# Altium PCB UPS.PcbDoc (part 1 of 2) (continued)
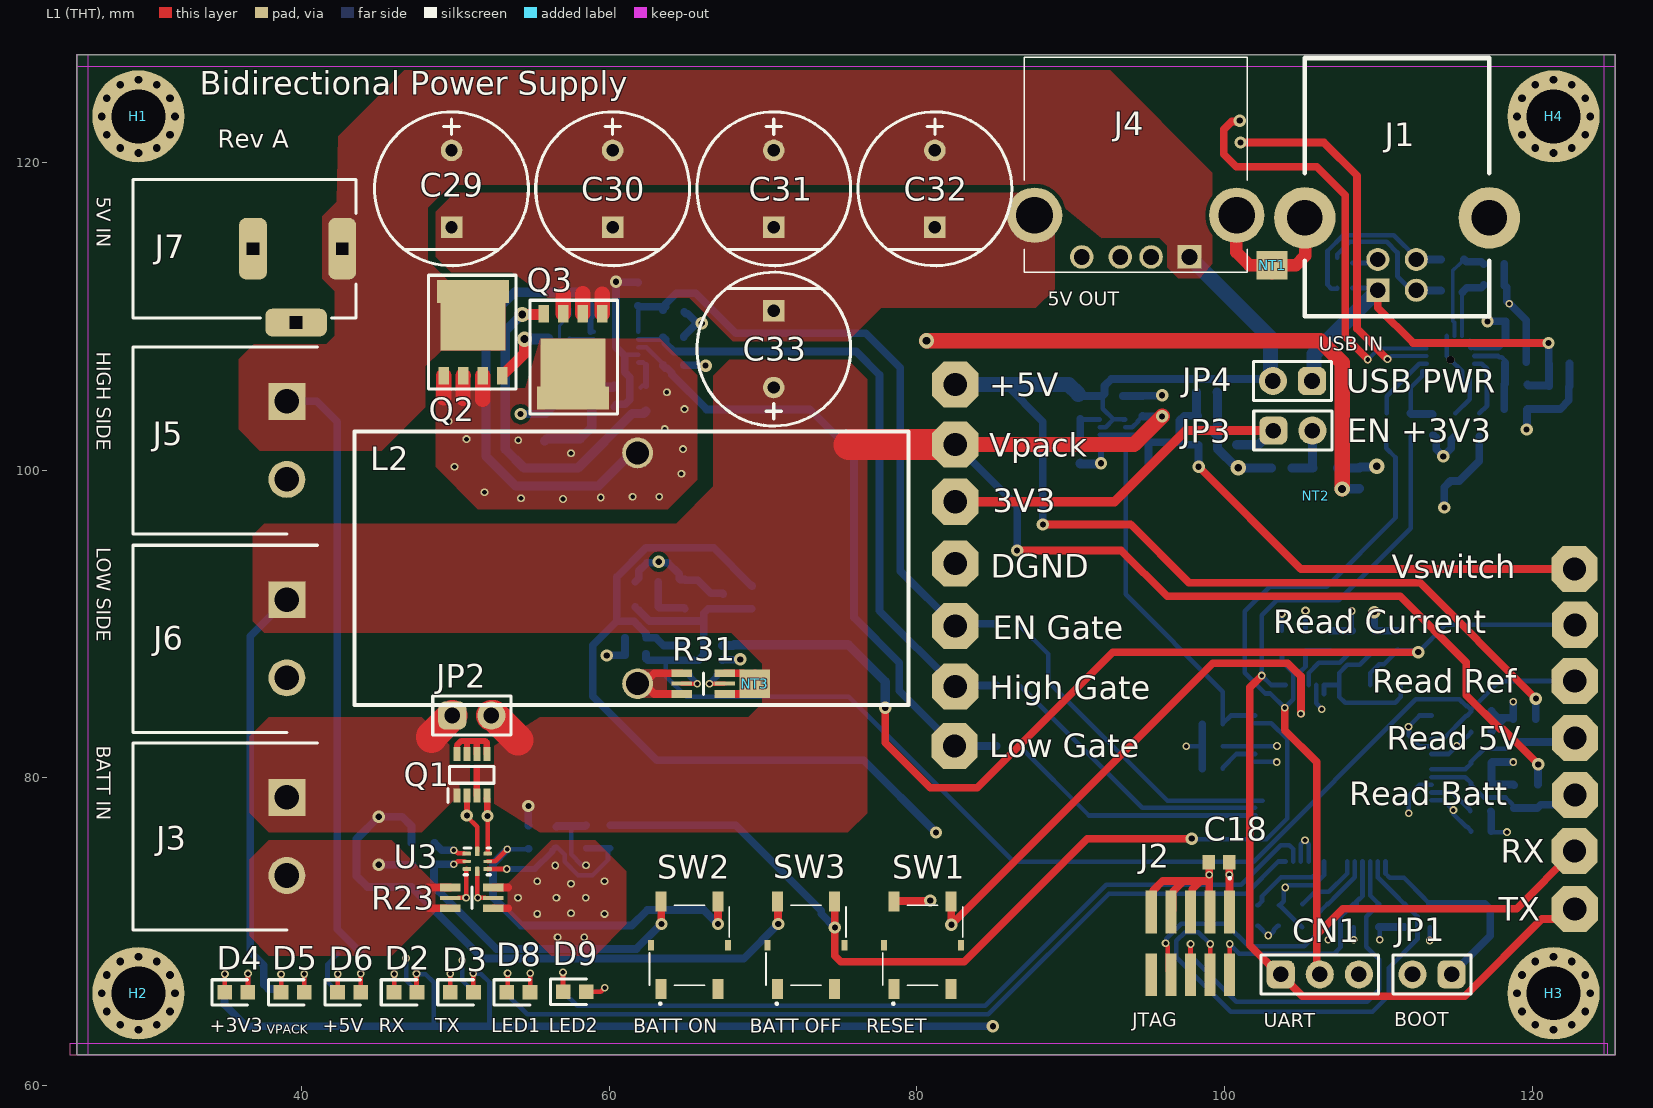
[diagram p0: L1 (THT) view]
## Components (designator, comment, footprint, x,y, rotation, side; value= is the part's Value field where it differs from the comment) (continued)
L1 "Inductor" IND0603 106.55,100.15 r0 bottom value=10uH
L2 "Inductor" COIL_HANDMADE 61.85,93.625 r270 top locked value="174 uH"
NT1 "NetTie_1-1" NETTIE_1.85MM#1 103.1,113.325 r0 top net-tie value="NetTie 1-1 0.2mm"
NT2 "NetTie_1-1" NETTIE_1.85MM#2 105.95,98.35 r0 top net-tie value="NetTie 1-1 0.2mm"
NT3 "NetTie_1-1" NETTIE_1.85MM#1 69.475,86.125 r0 top net-tie value="NetTie 1-1 0.2mm"
Q1 "ECH8695R-TL-W" SOT-28FL 51.075,80.2 r90 top
Q2 "N-MOSFET" SOT-669-5 51.15,108.875 r0 top
Q3 "N-MOSFET" SOT-669-5 57.65,107.45 r180 top
R1 "20R" RES0603 114.825,113.7 r180 bottom
R2 "20R" RES0603 114.825,111.675 r180 bottom
R3 "22K1" RES0603 118.95,105.575 r0 bottom
R4 "100R" RES0603 112.103,102.95 r270 bottom
R5 "100R" RES0603 110.525,102.95 r270 bottom
R6 "1K" RES0603 116.575,102.95 r90 bottom
R7 "47K5" RES0603 118.95,103.975 r180 bottom
R8 "330R" RES0603 46.8,66.05 r180 bottom
R9 "330R" RES0603 50.475,66.025 r180 bottom
R10 "10K" RES0603 115.001,102.95 r90 bottom
R11 "3K3" RES0603 105.275,88.9 r90 bottom
R12 "4K7" RES0603 105.068,71.05 r270 bottom
R13 "4K7" RES0603 106.729,71.05 r270 bottom
R14 "4K7" RES0603 108.391,71.05 r270 bottom
R15 "4K7" RES0603 110.052,71.05 r270 bottom
R16 "4K7" RES0603 111.714,71.05 r270 bottom
R17 "4K7" RES0603 113.375,71.05 r270 bottom
R18 "100R" RES0603 47.9,72.9 r180 bottom
R19 "20R" RES0603 47.9,75.775 r180 bottom
R20 "1K" RES0603 54.755,76.15 r90 bottom
R21 "100R" RES0603 60.075,76.175 r90 bottom
R22 "1K" RES0603 58.5,76.175 r270 bottom
R23 "0R005" RES1206_KELVIN 51.075,72.2 r0 top
R24 "330R" RES0603 43.125,68.575 r0 bottom
R25 "10K" RES0603 94.325,100.425 r180 bottom
R26 "10K" RES0603 90.625,104.075 r90 bottom
R27 "330R" RES0603 35.75,66.05 r180 bottom
R28 "330R" RES0603 39.4,66.05 r180 bottom
R29 "330R" RES0603 43.1,66.05 r180 bottom
R30 "10K" RES0603 90.625,101 r90 bottom
R31 "0R010" RES1206_KELVIN 66.125,86.125 r0 top
R32 "5R1" RES0603 58.9,104.6 r270 bottom
R33 "100R" RES0603 85.95,86 r180 bottom
R34 "5R1" RES0603 56.8,108.5 r180 bottom
R35 "100R" RES0603 85.95,82.075 r180 bottom
R36 "100R" RES0603 85.95,89.925 r180 bottom
R37 "5R1" RES0603 62.4,104.6 r270 bottom
R38 "10K" RES0603 61.875,111.45 r90 bottom
R39 "100R" RES0603 69.275,91.75 r270 bottom
R40 "3K3" RES0603 120.25,83.075 r90 bottom
R41 "3K3" RES0603 120.375,78.8 r90 bottom
R42 "3K3" RES0603 62.45,91.125 r180 bottom
R43 "4K7" RES0603 118.775,83.075 r270 bottom
R44 "4K7" RES0603 118.825,78.775 r270 bottom
R45 "10K" RES0603 62.45,92.75 r0 bottom
R46 "330R" RES0603 54.075,66 r180 bottom
R47 "330R" RES0603 57.775,66.1 r180 bottom
SW1 "PTS526 Button" "PTS526 SMG15J SMTR2 LFS" 80.375,69.125 r90 top
SW2 "PTS526 Button" "PTS526 SMG15J SMTR2 LFS" 65.225,69.125 r90 top
SW3 "PTS526 Button" "PTS526 SMG15J SMTR2 LFS" 72.8,69.125 r90 top
TP1 "Test Point" TP-1.5HOLE#1 122.775,71.475 r180 bottom
TP2 "Test Point" TP-1.5HOLE#1 122.75,75.25 r180 bottom
TP3 "Test Point" TP-1.5HOLE#1 122.75,93.575 r180 bottom
TP4 "Test Point" TP-1.5HOLE#1 82.5,97.95 r180 bottom
TP5 "Test Point" TP-1.5HOLE#1 82.5,105.575 r180 bottom
TP6 "Test Point" TP-1.5HOLE#1 82.5,101.675 r180 bottom
TP7 "Test Point" TP-1.5HOLE#1 82.5,85.95 r180 bottom
TP8 "Test Point" TP-1.5HOLE#1 82.45,82.075 r180 bottom
TP9 "Test Point" TP-1.5HOLE#1 82.5,89.875 r180 bottom
TP10 "Test Point" TP-1.5HOLE#2 122.8,89.8 r90 bottom
TP11 "Test Point" TP-1.5HOLE#1 122.775,86.3 r90 bottom
TP12 "Test Point" TP-1.5HOLE#1 122.8,82.585 r90 bottom
TP13 "Test Point" TP-1.5HOLE#1 122.8,78.89 r90 bottom
TP14 "Test Point" TP-1.5HOLE#1 82.5,93.925 r90 bottom
U1 "CP2102N-A02-GQFN20R" QFN-20 114.7,107.175 r270 bottom
U2 "F280038PMRQ1" LQFP-64 107.725,80.3 r270 bottom
U3 "BQ2980" X2QFN-8 51.425,74.575 r0 top
U4 "TPS2116" SOTFL50P160X60-8N 92.725,102.55 r0 bottom
U5 "LP5907QMFX-3.3Q1" SOT23-5 99.55,102.6 r0 bottom
U6 "DGD05473FN-7" V-DFN3030-10 60.45,108 r0 bottom
U7 "INA181A1" SOT23-6 66.125,87.65 r180 bottom
U8 "TLV431" SOT23-5 66.165,91.95 r180 bottom

## Footprints (in the part's own frame and the unit in brackets; to place one, negate y for a bottom-side part, rotate by r counter-clockwise, add the part's x,y. Pads: shape width x height; smd on the part's side, far side on the other; paste and mask are expansions set on the pad)
"Aluminium Capacitor 10x12.5" [mm]
  rect 1.4x1.4 hole 0.8: 1(2.493,-4.953)
  round 1.4 hole 0.8: 2(7.493,-4.953)
  silkscreen extent -0.01,-9.95 9.99,0.04, body extent -0.02,-9.96 9.98,0.03, height 12.5
CAP0603 [mm] "1.6 x 0.8 x 0.8 mm"
  rect 0.81x0.94 smd: 1(-0.67,0) 2(0.67,0)
  body extent -0.8,-0.4 0.8,0.4, height 0.9
COIL_HANDMADE [mm] "35 x 15 mm coil"
  round 2 hole 1.5: 1(-7.5,0) 2(7.5,0)
  silkscreen extent -8.9,-18.4 8.9,17.6, body extent -8,-17.9 7.8,17.1, height 37.5
CON-2x5-1.27 [mm] "2x5 pin connector with 1.27 mm pitch"
  rect 0.74x2.79 smd: 1(-2.54,0) 2(-2.54,4.07) 3(-1.27,0) 4(-1.27,4.07) 5(0,0) 6(0,4.07) 7(1.27,0) 8(1.27,4.07) 9(2.54,0) 10(2.54,4.07)
  silkscreen extent -2.6,-2.25 -2.5,-2.15, body extent -3.18,-0.92 3.17,4.93, height 6.13
"DC Power Jack Right Angled" [mm] "DC Power Jack Right Angled(6.4)"
  rrect50% 4x1.8 hole 0.8 square: 1(0,6.35) 2(0,0.55)
  rrect50% 1.8x4 hole 0.8 square: 3(4.8,3.35)
  silkscreen extent -4.5,-7.25 4.5,7.25, body extent -4.5,-7.25 5,7.25, height 10.75
IND0603 [mm]
  rect 0.9x1 smd: 1(-0.8,0) 2(0.8,0)
  silkscreen extent 0,-0.3 0,0.3, body extent -0.8,-0.4 0.8,0.4, height 0.95
LED0603 [mm] "LEDC1608X80N"
  rect 0.95x0.95 smd: 1(-0.75,0) 2(0.75,0)
  silkscreen extent -1.58,-0.82 0.75,0.82, body extent -0.83,-0.4 0.77,0.4, height 0.7
LQFP-64 [mm] "QFP50P1200X1200X160-64N"
  rect 1.475x0.3 smd: 1(-5.738,3.75) 2(-5.738,3.25) 3(-5.738,2.75) 4(-5.738,2.25) 5(-5.738,1.75) 6(-5.738,1.25) 7(-5.738,0.75) 8(-5.738,0.25) 9(-5.738,-0.25) 10(-5.738,-0.75) 11(-5.738,-1.25) 12(-5.738,-1.75) 13(-5.738,-2.25) 14(-5.738,-2.75) 15(-5.738,-3.25) 16(-5.738,-3.75) 33(5.738,-3.75) 34(5.738,-3.25) 35(5.738,-2.75) 36(5.738,-2.25) 37(5.738,-1.75) 38(5.738,-1.25) 39(5.738,-0.75) 40(5.738,-0.25) 41(5.738,0.25) 42(5.738,0.75) 43(5.738,1.25) 44(5.738,1.75) 45(5.738,2.25) 46(5.738,2.75) 47(5.738,3.25) 48(5.738,3.75)
  rect 0.3x1.475 smd: 17(-3.75,-5.738) 18(-3.25,-5.738) 19(-2.75,-5.738) 20(-2.25,-5.738) 21(-1.75,-5.738) 22(-1.25,-5.738) 23(-0.75,-5.738) 24(-0.25,-5.738) 25(0.25,-5.738) 26(0.75,-5.738) 27(1.25,-5.738) 28(1.75,-5.738) 29(2.25,-5.738) 30(2.75,-5.738) 31(3.25,-5.738) 32(3.75,-5.738) 49(3.75,5.738) 50(3.25,5.738) 51(2.75,5.738) 52(2.25,5.738) 53(1.75,5.738) 54(1.25,5.738) 55(0.75,5.738) 56(0.25,5.738) 57(-0.25,5.738) 58(-0.75,5.738) 59(-1.25,5.738) 60(-1.75,5.738) 61(-2.25,5.738) 62(-2.75,5.738) 63(-3.25,5.738) 64(-3.75,5.738)
  silkscreen extent -6.35,-4.65 4.65,4.65, body extent -6.01,-6.01 6.01,6.01, height 1.5
MOUNTING_HOLE_M3#1 [mm] "Mounting hole for M3 screws."
  round 6 hole 3.5 unplated: H1(0,0)
MOUNTING_HOLE_M3#2 [mm] "Mounting hole for M3 screws."
  round 6 hole 3.5 unplated: H2(0,0)
MOUNTING_HOLE_M3#3 [mm] "Mounting hole for M3 screws."
  round 6 hole 3.5 unplated: H3(0,0)
MOUNTING_HOLE_M3#4 [mm] "Mounting hole for M3 screws."
  round 6 hole 3.5 unplated: H4(0,0)
NETTIE_1.85MM#1 [mm]
  rect 1x1.85 smd paste-1 mask-1: 1(-0.5,0) 2(0.5,0)
  L1 (THT) region: -0.1,-0.925 0.1,-0.925 0.1,0.925 -0.1,0.925
NETTIE_1.85MM#2 [mm]
  rect 1x1.85 on Mid2 paste-1 mask-1: 1(-0.5,0) 2(0.5,0)
  L3 (MIXED) region: -0.1,-0.925 0.1,-0.925 0.1,0.925 -0.1,0.925
PIN-1X2 [mil] "2.54mm"
  rrect50% 72x72 hole 40: 1(-50,0)
  round 72 hole 40: 2(50,0)
  silkscreen extent -100,-50 100,50, body extent -96,-48 104,50, height 323
PIN-1X3 [mil] "2.54mm"
  rrect50% 72x72 hole 40: 1(-100,0)
  round 72 hole 40: 2(0,0) 3(100,0)
  silkscreen extent -150,-50 150,50, body extent -146,-49 154,49, height 323
"PTS526 SMG15J SMTR2 LFS" [mm] "Tactile Switches 50mA 12VDC, 5.2x5.2mm, 1.5mm H, metal actuator"
  rect 1.3x0.7 smd: 1(-2.85,1.85) 1(2.85,1.85) 2(-2.85,-1.85) 2(2.85,-1.85)
  rect 0.7x0.4 smd: 3(0,2.5) 3(0,-2.5)
  silkscreen extent -3.85,-2.6 2.6,2.6, body extent -3.2,-2.6 3.2,2.6, height 1.7
QFN-20 [mm]
  rect 0.3x0.3 smd: 1(-1.25,1.25) 6(-1.25,-1.25) 11(1.25,-1.25) 16(1.25,1.25)
  rect 0.9x0.3 smd: 2(-1.55,0.75) 3(-1.55,0.25) 4(-1.55,-0.25) 5(-1.55,-0.75) 12(1.55,-0.75) 13(1.55,-0.25) 14(1.55,0.25) 15(1.55,0.75)
  rect 0.3x0.9 smd: 7(-0.75,-1.55) 8(-0.25,-1.55) 9(0.25,-1.55) 10(0.75,-1.55) 17(0.75,1.55) 18(0.25,1.55) 19(-0.25,1.55) 20(-0.75,1.55)
  rect 1.8x1.8 smd: 21(0,0)
  silkscreen extent -2,1.25 -1.9,1.35, body extent -1.5,-1.5 1.5,1.5, height 0.75
RES0603 [mm] "Resistor 0603 (1608 metric)"
  rect 0.95x1 smd: 1(-0.75,0) 2(0.75,0)
  body extent -0.76,-0.43 0.76,0.43, height 0.45
RES1206_KELVIN [mm] "Footprint for 4-wire kelvin voltage measurement."
  rect 1.35x0.5 smd mask+0.075: 1(-1.4,-0.675) 1(-1.4,0.675) 2(1.4,-0.675) 2(1.4,0.675)
  rect 1.35x0.25 smd mask+0.075: 3(-1.4,0) 4(1.4,0)
  silkscreen extent 0,-0.7 0,0.7, body extent -1.6,-0.8 1.6,0.8, height 0.65
SMB [mm] "DO-214AA"
  rect 2.2x2.15 smd: 1(-2.2,0) 2(2.2,0)
  silkscreen extent -3.27,-1.81 2.7,1.81, body extent -2.7,-1.81 2.7,1.81, height 2.44
SOT23-5 [mm]
  rect 1.2x0.6 smd: 1(-1.25,0.95) 2(-1.25,0) 3(-1.25,-0.95) 4(1.25,-0.95) 5(1.25,0.95)
  silkscreen extent -1.85,-1.45 0.3,1.5, body extent -1.4,-1.45 1.4,1.45, height 1.45
SOT23-6 [mm]
  rect 1.15x0.6 smd: 1(-1.25,0.95) 2(-1.25,0) 3(-1.25,-0.95) 4(1.25,-0.95) 5(1.25,0) 6(1.25,0.95)
  silkscreen extent -1.83,-1.45 0.33,1.6, body extent -1.4,-1.45 1.4,1.45, height 1.45
SOT-28FL [mm] "SOT-28FL / ECH8 / SOT65P280X95-8N"
  rect 0.9x0.45 smd: 1(-1.35,0.975) 2(-1.35,0.325) 3(-1.35,-0.325) 4(-1.35,-0.975) 5(1.35,-0.975) 6(1.35,-0.325) 7(1.35,0.325) 8(1.35,0.975)
  silkscreen extent -1.8,-1.45 0.55,1.55, body extent -1.4,-1.45 1.4,1.45, height 0.95
SOT-666 [mm]
  rect 0.3x0.99 smd: 1(-0.5,-0.805) 2(0,-0.805) 3(0.5,-0.805) 4(0.5,0.805) 5(0,0.805) 6(-0.5,0.805)
  silkscreen extent -0.8,-0.6 0.8,0.6, body extent -0.8,-1.27 0.8,1.27, height 0.7
SOT-669-5 [mm] "LFPAK56; PowerSO8 (SOT669)"
  rect 0.7x1.15 smd: 1(1.905,-2.725) 2(-1.905,-2.725) 2(-0.635,-2.725) 2(0.635,-2.725)
  rect 4.2x3.1 smd: 3(0,0.45)
  rect 4.7x1.5 smd: 3(0,2.75)
  silkscreen extent -2.9,-3.6 2.8,3.8, body extent -2.4,-2.81 2.4,3.3, height 1
SOTFL50P160X60-8N [mm]
  rect 0.475x0.3 smd: 1(-0.838,0.75) 2(-0.838,0.25) 3(-0.838,-0.25) 4(-0.838,-0.75) 5(0.838,-0.75) 6(0.838,-0.25) 7(0.838,0.25) 8(0.838,0.75)
  silkscreen extent -1.07,-1.05 0.25,1.15, body extent -0.8,-1.05 0.8,1.05, height 0.6
TP-1.5HOLE#1 [mm]
  oct 3x3 hole 1.5: 1(0,0)
TP-1.5HOLE#2 [mm]
  oct 3x3 hole 1.5: 1(0.15,0)
USB-A-FEMALE [mm] "SS-52100-001"
  rect 1.53x1.53 hole 1.02: 1(0,0)
  round 1.53 hole 1.02: 2(2.5,0) 3(4.5,0) 4(7,0)
  round 3.6 hole 2.4: 5(-3.07,-2.71) 5(10.07,-2.71)
  silkscreen extent -3.75,-12.99 10.75,1.01, body extent -4.5,-13 11.5,1, height 7.61
USB-B-FEMALE [mm]
  round 4 hole 2.3: 0(-6,-4.7) 0(6,-4.7)
  rect 1.5x1.5 hole 1: 1(1.25,0)
  round 1.5 hole 1: 2(-1.25,0) 3(-1.25,-2) 4(1.25,-2)
  silkscreen extent -6,-15.1 6,1.7, body extent -7.44,-15 7.44,2, height 11
V-DFN3030-10 [mm] "V-DFN3030-10, SON50P300X300X80-11N-D / For DGD05473 IC"
  rect 0.85x0.3 smd: 1(-1.45,1) 2(-1.45,0.5) 3(-1.45,0) 4(-1.45,-0.5) 5(-1.45,-1) 6(1.45,-1) 7(1.45,-0.5) 8(1.45,0) 9(1.45,0.5) 10(1.45,1)
  rect 1.65x2.6 smd: 11(0,0)
  silkscreen extent -2,1.53 -1.75,1.77, body extent -1.55,-1.5 1.55,1.5, height 0.8
WR-TBL-5.08/2-M [mm] "Wurth Elektronik, 2 Pin Pluggable Terminal Block, Male"
  rect 2.4x2.4 hole 1.6: 1(5.08,0)
  round 2.4 hole 1.6: 2(0,0)
  silkscreen extent -3.54,-2 8.62,10, body extent -3.56,-2.03 8.52,9.97, height 8.6
X2QFN-8 [mm] "QFN, 8-Leads, Body 1.5x1.5mm, Pitch 0.5mm, TI Recommended"
  rrect40% 0.55x0.25 smd mask+0.075: 1(-0.675,0.5) 3(-0.675,-0.5) 5(0.675,-0.5) 7(0.675,0.5)
  rrect50% 0.55x0.2 smd mask+0.075: 2(-0.675,0) 6(0.675,0)
  rrect33% 0.3x0.6 smd mask+0.075: 4(0,-0.65) 8(0,0.65)
  silkscreen extent -0.85,-0.87 0.85,0.87, body extent -0.78,-0.78 0.77,0.77, height 0.41

## Part data
C1 C2 C35 C36 C37: "Ceramic Capacitor, Multilayer, Ceramic, 100V, 5% +Tol, 5% -Tol, C0G, 30ppm/Cel TC, 0.000047uF, Surface Mount, 0603", Capacitor Type=Ceramic, Case/Package=0603, Manufacturer=KEMET, Manufacturer Part Number=C0603C470J1GACTU, Max Operating Temperature=125°C, Min Operating Temperature=-55°C, Package Shape=Rectangular, Package Style=SMTMeter, Rated DC Voltage (URdc)=100V, Supplier Part Number=80-C0603C470J1G, Temperature Characteristics Code=C0G, Tolerance  (fill in as +-)=5%, Category="Ceramic Capacitors", ComponentLink1Description=https://datasheet.ciiva.com:443/pdfs/VipMasterIC/IC/KEME/KEME-S-A0005605168/KEME-S-A0005605168-1.pdf?src-supplier=IHS+Markit, ComponentLink1URL=https://datasheet.ciiva.com:443/pdfs/VipMasterIC/IC/KEME/KEME-S-A0005605168/KEME-S-A0005605168-1.pdf?src-supplier=IHS+Markit, ComponentLink2Description=https://datasheet.ciiva.com/28668/1789732-28668693.pdf?src-supplier=Element14, ComponentLink2URL=https://datasheet.ciiva.com/28668/1789732-28668693.pdf?src-supplier=Element14, ComponentLink3Description=https://datasheet.ciiva.com/18193/getdatasheetpartid-544691-18193046.pdf?src-supplier=Verical, ComponentLink3URL=https://datasheet.ciiva.com/18193/getdatasheetpartid-544691-18193046.pdf?src-supplier=Verical, ComponentLink4Description=https://datasheet.ciiva.com/18101/getdatasheetpartid-38001-18101098.pdf?src-supplier=Verical, ComponentLink4URL=https://datasheet.ciiva.com/18101/getdatasheetpartid-38001-18101098.pdf?src-supplier=Verical, Dielectric Material=Ceramic, Height=0.8mm, JESD-609 Code=e3, Length=1.6mm, Mounting Technology="Surface Mount", Multilayer=Yes, Packaging="Tape and Reel", Pins=2, Pricing="1=0.1, 10=0.026, 50=0.026, 100=0.016, 1000=0.012, 10000=0.007 (USD)", Reach SVHC Compliant=Yes, RoHS=Yes, RoHS Compliant=Yes, Stock=43381, Supplier=Mouser, Terminal Finish=Nickel, Termination=Wraparound, Tolerance (fill in as +-)=5%, Width=0.8mm
C3 C4: "Ceramic Capacitor, Multilayer, Ceramic, 250V, 5% +Tol, 5% -Tol, C0G, 30ppm/Cel TC, 0.00047uF, Surface Mount, 0603", Capacitor Type=Ceramic, Case/Package=0603, Manufacturer=KEMET, Manufacturer Part Number=C0603C471JAGACAUTO, Max Operating Temperature=125°C, Min Operating Temperature=-55°C, Package Style=SMTMeter, Rated DC Voltage (URdc)=250V, Supplier Part Number=80-C0603C471JAGAUTO, Temperature Characteristics Code=C0G, Tolerance  (fill in as +-)=5%, Category="Ceramic Capacitors", ComponentLink1Description=https://datasheet.ciiva.com:443/pdfs/VipMasterIC/IC/KEME/KEME-S-A0008958445/KEME-S-A0008958445-1.pdf?src-supplier=IHS+Markit, ComponentLink1URL=https://datasheet.ciiva.com:443/pdfs/VipMasterIC/IC/KEME/KEME-S-A0008958445/KEME-S-A0008958445-1.pdf?src-supplier=IHS+Markit, ComponentLink2Description=http://www.mouser.com/ds/2/212/KEM_C1086_U2J-962528.pdf?src-supplier=Mouser, ComponentLink2URL=http://www.mouser.com/ds/2/212/KEM_C1086_U2J-962528.pdf?src-supplier=Mouser, ComponentLink3Description=http://www.kemet.com/Lists/ProductCatalog/Attachments/420/KEM_C1022_C0G_AUTO_SMD.pdf?src-supplier=Digikey, ComponentLink3URL=http://www.kemet.com/Lists/ProductCatalog/Attachments/420/KEM_C1022_C0G_AUTO_SMD.pdf?src-supplier=Digikey, ComponentLink4Description=https://api.kemet.com/component-edge/download/datasheet/C0603C471JAGACAUTO.pdf?src-supplier=Digikey, ComponentLink4URL=https://api.kemet.com/component-edge/download/datasheet/C0603C471JAGACAUTO.pdf?src-supplier=Digikey, Dielectric Material=Ceramic, Height=0.8mm, JESD-609 Code=e3, Length=1.6mm, Multilayer=Yes, Packaging="Tape and Reel", Pins=2, Pricing="1=0.1, 10=0.068, 50=0.068, 100=0.034, 1000=0.022, 10000=0.017 (USD)", Reach SVHC Compliant=Yes, Reference Standard=AEC-Q200, RoHS=Yes, RoHS Compliant=Yes, Stock=51887, Supplier=Mouser, Terminal Finish=Nickel, Tolerance (fill in as +-)=5%, Width=0.8mm
C5 C8 C10 C11 C12 C13 C14 C20: "Capacitor Ceramic 4.7uF 10V X5R 10% 0603 T/R", Manufacturer=Samsung, Manufacturer Part Number=CL10A475KP8NNWC, Supplier Part Number=187-CL10A475KP8NNWC, Category="Ceramic Capacitors", Pricing="1=0.1, 10=0.024, 50=0.024, 100=0.021, 1000=0.012, 10000=0.009 (USD)", RoHS=No, Stock=20365, Supplier=Mouser
C6 C9 C15 C16 C17 C18 C19 C21 C22 C26 C27 C28 C41 C44: "Ceramic Capacitor, Multilayer, Ceramic, 25V, 10% +Tol, 10% -Tol, X7R, 15% TC, 0.1uF, Surface Mount, 0603", Capacitor Type=Ceramic, Case/Package=0603, Manufacturer=Samsung, Manufacturer Part Number=CL10B104KA8WPNC, Max Operating Temperature=125°C, Min Operating Temperature=-55°C, Package Shape=Rectangular, Rated DC Voltage (URdc)=25V, Supplier Part Number=187-CL10B104KA8WPNC, Temperature Characteristics Code=X7R, Tolerance  (fill in as +-)=10%, Category="Ceramic Capacitors", ComponentLink1Description=https://datasheet.ciiva.com:443/pdfs/VipMasterIC/IC/SEMS/SEMS-S-A0005596039/SEMS-S-A0005592818-1.pdf?src-supplier=IHS+Markit, ComponentLink1URL=https://datasheet.ciiva.com:443/pdfs/VipMasterIC/IC/SEMS/SEMS-S-A0005596039/SEMS-S-A0005592818-1.pdf?src-supplier=IHS+Markit, ComponentLink2Description=http://www.samsungsem.com/kr/support/library/product-catalog/mlcc.jsp?src-supplier=Digikey, ComponentLink2URL=http://www.samsungsem.com/kr/support/library/product-catalog/mlcc.jsp?src-supplier=Digikey, ComponentLink3Description=http://www.samsungsem.com/kr/support/product-search/mlcc/CL10B104KA8WPNC.jsp?src-supplier=Digikey, ComponentLink3URL=http://www.samsungsem.com/kr/support/product-search/mlcc/CL10B104KA8WPNC.jsp?src-supplier=Digikey, ComponentLink4Description=http://www.samsungsem.com/servlet/FileDownload?filename=productcatalog/pdf/MLCC.pdf&src-supplier=Avnet, ComponentLink4URL=http://www.samsungsem.com/servlet/FileDownload?filename=productcatalog/pdf/MLCC.pdf&src-supplier=Avnet, ComponentLink5Description=https://datasheet.octopart.com/CL10B104KA8WPNC-Samsung-Electro-Mechanics-datasheet-148763375.pdf?src-supplier=Future+Electronics, ComponentLink5URL=https://datasheet.octopart.com/CL10B104KA8WPNC-Samsung-Electro-Mechanics-datasheet-148763375.pdf?src-supplier=Future+Electronics, ComponentLink6Description=https://datasheet.octopart.com/CL10B104KA8WPNC-Samsung-datasheet-8326407.pdf?src-supplier=TME, ComponentLink6URL=https://datasheet.octopart.com/CL10B104KA8WPNC-Samsung-datasheet-8326407.pdf?src-supplier=TME, Dielectric Material=Ceramic, JESD-609 Code=e3, Mounting Technology="Surface Mount", Multilayer=Yes, Packaging="Tape and Reel", Pins=2, Pricing="1=0.1, 10=0.026, 50=0.026, 100=0.018, 1000=0.014, 10000=0.009 (USD)", Reach SVHC Compliant=Yes, Reference Standard=AEC-Q200, RoHS=Yes, RoHS Compliant=Yes, Stock=62899, Supplier=Mouser, Terminal Finish=Nickel, Termination=Wraparound, Tolerance (fill in as +-)=10%
C7 C23 C24 C34 C38: "Ceramic Capacitor, Multilayer, Ceramic, 16V, 10% +Tol, 10% -Tol, X7R, 15% TC, 1uF, Surface Mount, 0603", Manufacturer="Walsin Technologies", Manufacturer Part Number=SH18B105K160CT, Supplier Part Number=791-SH18B105K160CT, Category="Ceramic Capacitors", ComponentLink1Description=https://datasheet.octopart.com/SH18B105K160CT-Walsin-Technologies-datasheet-149178370.pdf?src-supplier=TECHDesign, ComponentLink1URL=https://datasheet.octopart.com/SH18B105K160CT-Walsin-Technologies-datasheet-149178370.pdf?src-supplier=TECHDesign, Pricing="1=0.1, 10=0.04, 50=0.04, 100=0.023, 1000=0.015, 10000=0.01 (USD)", RoHS=Yes, Stock=5174, Supplier=Mouser
C25: "Ceramic Capacitor, Multilayer, Ceramic, 6.3V, 20% +Tol, 20% -Tol, X5R, 15% TC, 10uF, Surface Mount, 0603", Capacitor Type=Ceramic, Case/Package=0603, Manufacturer=Samsung, Manufacturer Part Number=CL10A106MQ8NNND, Max Operating Temperature=85°C, Min Operating Temperature=-55°C, Package Shape=Rectangular, Package Style=SMTMeter, Rated DC Voltage (URdc)=6.3V, Supplier Part Number=187-CL10A106MQ8NNND, Temperature Characteristics Code=X5R, Tolerance  (fill in as +-)=20%, Category="Ceramic Capacitors", ComponentLink1Description=https://datasheet.ciiva.com:443/pdfs/VipMasterIC/IC/SEMS/SEMS-S-A0008522793/SEMS-S-A0008522909-1.pdf?src-supplier=IHS+Markit, ComponentLink1URL=https://datasheet.ciiva.com:443/pdfs/VipMasterIC/IC/SEMS/SEMS-S-A0008522793/SEMS-S-A0008522909-1.pdf?src-supplier=IHS+Markit, Dielectric Material=Ceramic, Height=0.8mm, JESD-609 Code=e3, Length=1.6mm, Mounting Technology="Surface Mount", Multilayer=Yes, Packaging="Tape and Reel", Pins=2, Pricing="1=0.1, 10=0.066, 50=0.066, 100=0.031, 1000=0.019, 10000=0.014 (USD)", Reach SVHC Compliant=Yes, RoHS=Yes, RoHS Compliant=Yes, Stock=103768, Supplier=Mouser, Terminal Finish=Nickel, Termination=Wraparound, Tolerance (fill in as +-)=20%, Width=0.8mm
C29 C30 C31 C32: "Aluminum Electrolytic Capacitor, Polarized, Aluminum (solid Polymer), 6.3V, 20% +Tol, 20% -Tol, 1500uF, Through Hole Mount", Capacitor Type=Aluminium, ESR (Equivalent Series Resistance)=7mR, Leakage Current=1.89mA, Manufacturer=Nichicon, Manufacturer Part Number=RNU0J152MDN1PH, Manufacturer Series=NU, Max Operating Temperature=105°C, Min Operating Temperature=-55°C, Package Shape=Cylindrical, Package Style=RadialMeter, Rated DC Voltage (URdc)=6.3V, Ripple Current=6.1A, Supplier Part Number=647-RNU0J152MDN1PH, Tolerance  (fill in as +-)=20%, Category="Polymer Capacitors", ComponentLink1Description=https://datasheet.ciiva.com:443/pdfs/VipMasterIC/IC/NICH/NICH-S-A0001375683/NICH-S-A0001375683-1.pdf?src-supplier=IHS+Markit, ComponentLink1URL=https://datasheet.ciiva.com:443/pdfs/VipMasterIC/IC/NICH/NICH-S-A0001375683/NICH-S-A0001375683-1.pdf?src-supplier=IHS+Markit, ComponentLink2Description=https://datasheet.ciiva.com/6316/2013fpcap-catalog-nu-6316953.pdf?src-supplier=Digikey, ComponentLink2URL=https://datasheet.ciiva.com/6316/2013fpcap-catalog-nu-6316953.pdf?src-supplier=Digikey, ComponentLink3Description=https://datasheet.ciiva.com/6316/2013fpcap-catalog-nu-6316955.pdf?src-supplier=Digikey, ComponentLink3URL=https://datasheet.ciiva.com/6316/2013fpcap-catalog-nu-6316955.pdf?src-supplier=Digikey, Diameter=10mm, Dielectric Material=Aluminium, JESD-609 Code=e3, Length=12.5mm, Mounting Technology="Through Hole", Packaging="Tape and Reel", Pins=2, Polarity=Polarized, Pricing="1=0.72, 10=0.49, 50=0.49, 100=0.434, 1000=0.366, 10000=0.333 (USD)", Reach SVHC Compliant=Yes, RoHS=Yes, RoHS Compliant=Yes, Series=NU, Stock=545, Supplier=Mouser, Tan Delta=0.08, Terminal Finish=Tin, Terminal Pitch=5mm, Termination=Wire, Tolerance (fill in as +-)=20%
C33: library part RR50J471MDN1KX, "Aluminum Electrolytic Capacitor, Aluminum (solid Polymer)", Capacitor Type=Aluminium, Manufacturer=Nichicon, Supplier Part Number=647-RR50J471MDN1KX, Category="Polymer Capacitors", ComponentLink1Description=https://datasheet.ciiva.com:443/pdfs/VipMasterIC/IC/NICH/NICH-S-A0003527494/NICH-S-A0003527494-1.pdf?src-supplier=IHS+Markit, ComponentLink1URL=https://datasheet.ciiva.com:443/pdfs/VipMasterIC/IC/NICH/NICH-S-A0003527494/NICH-S-A0003527494-1.pdf?src-supplier=IHS+Markit, ComponentLink2Description=http://www.mouser.com/ds/2/293/e-rr5-875910.pdf?src-supplier=Mouser, ComponentLink2URL=http://www.mouser.com/ds/2/293/e-rr5-875910.pdf?src-supplier=Mouser, ComponentLink3Description=http://nichicon-us.com/english/products/pdfs/e-rr5.pdf?src-supplier=Digikey, ComponentLink3URL=http://nichicon-us.com/english/products/pdfs/e-rr5.pdf?src-supplier=Digikey, Dielectric Material=Aluminium, Manufacturer Part Number=RR50J471MDN1KX, Pins=2, Pricing="1=0.65, 10=0.409, 50=0.409, 100=0.334, 1000=0.265, 10000=0.265 (USD)", Reach SVHC Compliant=Yes, RoHS=Yes, RoHS Compliant=Yes, Stock=272, Supplier=Mouser
C39 C40 C42 C43: "Ceramic Capacitor, Multilayer, Ceramic, 16V, 10% +Tol, 10% -Tol, X7R, 15% TC, 0.047uF, Surface Mount, 0603", Capacitor Type=Ceramic, Case/Package=0603, Manufacturer="Vishay Vitramon", Manufacturer Part Number=VJ0603Y473KXJCW1BC, Manufacturer Series=VJ, Max Operating Temperature=125°C, Min Operating Temperature=-55°C, Package Shape=Rectangular, Rated DC Voltage (URdc)=16V, Supplier Part Number=77-VJ0603Y473KXJCBC, Temperature Characteristics Code=X7R, Tolerance  (fill in as +-)=10%, Category="Ceramic Capacitors", ComponentLink1Description=https://datasheet.ciiva.com:443/pdfs/VipMasterIC/IC/BEYS/BEYSS01735/BEYSS01735-1.pdf?src-supplier=IHS+Markit, ComponentLink1URL=https://datasheet.ciiva.com:443/pdfs/VipMasterIC/IC/BEYS/BEYSS01735/BEYSS01735-1.pdf?src-supplier=IHS+Markit, ComponentLink2Description=https://datasheet.ciiva.com/5415/vjw1bcbascomseries-223529-5415496.pdf?src-supplier=Mouser, ComponentLink2URL=https://datasheet.ciiva.com/5415/vjw1bcbascomseries-223529-5415496.pdf?src-supplier=Mouser, ComponentLink3Description=https://datasheet.ciiva.com/11583/vjw1bcbascomseries-11583180.pdf?src-supplier=Avnet, ComponentLink3URL=https://datasheet.ciiva.com/11583/vjw1bcbascomseries-11583180.pdf?src-supplier=Avnet, Dielectric Material=Ceramic, JESD-609 Code=e3, Mounting Technology="Surface Mount", Multilayer=Yes, Packaging="Tape and Reel", Pins=2, Pricing="1=0.1, 10=0.039, 50=0.039, 100=0.023, 1000=0.018, 10000=0.015 (USD)", Reach SVHC Compliant=Yes, RoHS=Yes, RoHS Compliant=Yes, Stock=17221, Supplier=Mouser, Terminal Finish=Tin, Termination=Wraparound, Tolerance (fill in as +-)=10%
CN1: "1x3 2.54mm", Package="SMD 1.27mm", CompType=M50-3530342, Distributor=Mouser, Order Code=855-M50-3530342, Part Class=Connector
D1: "Trans Voltage Suppressor Diode, Bidirectional, 4 Element, Silicon", Breakdown Voltage-Nom=7.6V, Manufacturer=STMicroelectronics, Max Breakdown Voltage=9.2V, Max Operating Temperature=150°C, Min Breakdown Voltage=6V, Mouser Part Number=511-ESDAULC63BP6, Package Body Material=Plastic, Package Shape=Rectangular, Package Style="SMALL OUTLINEMeter", Peak Reflow Temperature (Cel)=260°C, Time @ Peak Reflow Temperature-Max (s)=30s, Arrow Part Number=ESDAULC6-3BP6, Arrow Price/Stock=https://www.arrow.com/en/products/esdaulc6-3bp6/stmicroelectronics?region=europe, Category="TVS Diodes", ComponentLink1Description=https://datasheet.ciiva.com:443/pdfs/VipMasterIC/IC/SGST/SGSTS28710/SGSTS28710-1.pdf?src-supplier=IHS+Markit, ComponentLink1URL=https://datasheet.ciiva.com:443/pdfs/VipMasterIC/IC/SGST/SGSTS28710/SGSTS28710-1.pdf?src-supplier=IHS+Markit, ComponentLink2Description=https://datasheet.ciiva.com/16216/cd00165276-16216912.pdf?src-supplier=Future+Electronics, ComponentLink2URL=https://datasheet.ciiva.com/16216/cd00165276-16216912.pdf?src-supplier=Future+Electronics, ComponentLink3Description=https://datasheet.ciiva.com/15134/getdatasheetpartid-141575-15134300.pdf?src-supplier=Verical, ComponentLink3URL=https://datasheet.ciiva.com/15134/getdatasheetpartid-141575-15134300.pdf?src-supplier=Verical, ComponentLink4Description=https://datasheet.ciiva.com/342/cd00165276-342350.pdf?src-supplier=Digikey, ComponentLink4URL=https://datasheet.ciiva.com/342/cd00165276-342350.pdf?src-supplier=Digikey, ComponentLink5Description=https://datasheet.ciiva.com/342/cd00165276-342351.pdf?src-supplier=Digikey, ComponentLink5URL=https://datasheet.ciiva.com/342/cd00165276-342351.pdf?src-supplier=Digikey, ComponentLink6Description=https://datasheet.ciiva.com/342/cd00165276-342352.pdf?src-supplier=Digikey, ComponentLink6URL=https://datasheet.ciiva.com/342/cd00165276-342352.pdf?src-supplier=Digikey, ComponentLink7Description=https://datasheet.ciiva.com/4510/cd00165276-4510431.pdf?src-supplier=Mouser, ComponentLink7URL=https://datasheet.ciiva.com/4510/cd00165276-4510431.pdf?src-supplier=Mouser, Datasheet Link=https://www.st.com/resource/en/datasheet/esdaulc6-3bp6.pdf, Diode Element Material=SILICON, Diode Type="TRANS VOLTAGE SUPPRESSOR", Height=0.6mm, JESD-30 Code=R-PDSO-F6, JESD-609 Code=e3, Manufacturer Part Number=ESDAULC6-3BP6, Manufacturer_Name=STMicroelectronics, Manufacturer_Part_Number=ESDAULC6-3BP6, Moisture Sensitivity Level=1, Mouser Price/Stock=https://www.mouser.co.uk/ProductDetail/STMicroelectronics/ESDAULC6-3BP6?qs=eU2TTeT5rM3P6hIT2KJeMw%3D%3D, Number of Elements=4, Pins=6, Polarity=Bidirectional, Pricing="1=0.46, 10=0.312, 50=0.312, 100=0.211, 1000=0.146, 10000=0.103 (USD)", Qualification Status="Not Qualified", Reach SVHC Compliant=Yes, RoHS=Yes, RoHS Compliant=Yes, Stock=6079, Supplier=Mouser, Supplier Part Number=511-ESDAULC63BP6, Surface Mount=Yes, Technology=AVALANCHE, Terminal Finish=Tin, Terminal Form=Flat, Terminal Position=DUAL
D2 D3 D4 D5 D6 D8 D9: library part "LED Green", "Single Color LED, Bright Green, Water Clear, 1.1mm", Color=Green, Forward Current=30mA, Manufacturer="Wurth Electronics", Manufacturer Part Number=150060VS75000, Max Operating Temperature=85°C, Min Operating Temperature=-40°C, Supplier Part Number=710-150060VS75000, Category=LEDs, Channels=1, ComponentLink1Description=https://datasheet.ciiva.com:443/pdfs/VipMasterIC/IC/MIDC/MIDC-S-A0007768636/MIDC-S-A0007768636-1.pdf?src-supplier=IHS+Markit, ComponentLink1URL=https://datasheet.ciiva.com:443/pdfs/VipMasterIC/IC/MIDC/MIDC-S-A0007768636/MIDC-S-A0007768636-1.pdf?src-supplier=IHS+Markit, ComponentLink2Description=https://datasheet.ciiva.com/29562/150060vs75000-29562919.pdf?src-supplier=Digikey, ComponentLink2URL=https://datasheet.ciiva.com/29562/150060vs75000-29562919.pdf?src-supplier=Digikey, Lens Style="WATER CLEAR", Luminous Intensity-Nom=40mcd, Mounting Technology="Surface Mount", Optoelectronic Device Type="SINGLE COLOR LED", Overall Height=0.7mm, Packaging="Tape and Reel", Pins=2, Pricing="1=0.15, 10=0.15, 50=0.142, 100=0.122, 1000=0.116, 10000=0.116 (USD)", Reach SVHC Compliant=Yes, RoHS=Yes, RoHS Compliant=Yes, Shape=Rectangular, Size=1.1mm, Stock=96633, Supplier=Mouser, Terminal Pitch=1.6mm, Viewing Angle=140°
D7: "Rectifier Diode, Schottky, 1 Phase, 1 Element, 30V V(RRM), Silicon", Manufacturer="Vishay Semiconductors", Max Operating Temperature=125°C, Min Operating Temperature=-55°C, Package Body Material=Plastic, Package Shape=Rectangular, Package Style="SMALL OUTLINEMeter", Rep Pk Reverse Voltage-Max=30V, Supplier Part Number=78-VS-MBRS130L-M35BT, Additional Feature="FREE WHEELING DIODE", Category="Rectifier Diodes", ComponentLink1Description=https://datasheet.ciiva.com:443/pdfs/VipMasterIC/IC/VISH/VISH-S-A0001785244/VISH-S-A0001785244-1.pdf?src-supplier=IHS+Markit, ComponentLink1URL=https://datasheet.ciiva.com:443/pdfs/VipMasterIC/IC/VISH/VISH-S-A0001785244/VISH-S-A0001785244-1.pdf?src-supplier=IHS+Markit, ComponentLink2Description=http://www.mouser.com/ds/2/427/vsmbrs130lm3-552915.pdf?src-supplier=Mouser, ComponentLink2URL=http://www.mouser.com/ds/2/427/vsmbrs130lm3-552915.pdf?src-supplier=Mouser, ComponentLink3Description=http://www.vishay.com/docs/95745/vsmbrs130lm3.pdf?src-supplier=Digikey, ComponentLink3URL=http://www.vishay.com/docs/95745/vsmbrs130lm3.pdf?src-supplier=Digikey, ComponentLink4Description=https://datasheet.octopart.com/VS-MBRS130L-M3-5BT-Vishay-datasheet-41960962.pdf?src-supplier=Future+Electronics, ComponentLink4URL=https://datasheet.octopart.com/VS-MBRS130L-M3-5BT-Vishay-datasheet-41960962.pdf?src-supplier=Future+Electronics, Diode Element Material=SILICON, Diode Type=RECTIFIER, If="1 A", JESD-30 Code=R-PDSO-C2, JESD-609 Code=e3, Manufacturer Part Number=VS-MBRS130L-M3/5BT, Moisture Sensitivity Level=1, Number of Elements=1, Pins=2, Pricing="1=0.26, 10=0.211, 50=0.211, 100=0.15, 1000=0.105, 10000=0.08 (USD)", Reach SVHC Compliant=No, RoHS=Yes, RoHS Compliant=Yes, Stock=107658, Supplier=Mouser, Surface Mount=Yes, Technology=SCHOTTKY, Terminal Finish=Tin, Terminal Form="C BEND", Terminal Position=DUAL, Vf="300 mV", Vrrm="30 V"
H1 H2 H3 H4: "Mounting hole with no connectivity."
J1: "USB Connector, 4 Contact(s), Female, Right Angle, Solder Terminal, Receptacle", Manufacturer="CUI Devices", Manufacturer Part Number=UJ2-BH-W2-TH, Supplier Part Number=490-UJ2-BH-W2-TH, Category="USB Connectors", ComponentLink1Description=https://www.cuidevices.com/product/resource/digikeypdf/uj2-bh-th.pdf?src-supplier=Digikey, ComponentLink1URL=https://www.cuidevices.com/product/resource/digikeypdf/uj2-bh-th.pdf?src-supplier=Digikey, ComponentLink2Description=https://datasheet.octopart.com/UJ2-BH-W2-TH-CUI-Devices-datasheet-142372266.pdf?src-supplier=Future+Electronics, ComponentLink2URL=https://datasheet.octopart.com/UJ2-BH-W2-TH-CUI-Devices-datasheet-142372266.pdf?src-supplier=Future+Electronics, ComponentLink3Description=https://datasheet.octopart.com/UJ2-BH-W2-TH-CUI-Devices-datasheet-103114882.pdf?src-supplier=Master+Electronics, ComponentLink3URL=https://datasheet.octopart.com/UJ2-BH-W2-TH-CUI-Devices-datasheet-103114882.pdf?src-supplier=Master+Electronics, Pricing="1=0.37, 10=0.365, 50=0.365, 100=0.31, 1000=0.309, 10000=0.309 (USD)", RoHS=No, Stock=1415, Supplier=Mouser
J2: library part Connector_10Pin, "Board Connector, 10 Contact(s), 2 Row(s), Male, Straight, 0.05 inch Pitch, Surface Mount Terminal, Locking", Current capacity=3.4A, Manufacturer=Samtec, Manufacturer Part Number=FTSH-105-01-L-DV-K-P-TR, Max Operating Temperature=125°C, Max Voltage=0V, Min Operating Temperature=-55°C, Package=SMD, Supplier Part Number=200-FTSH10501LDVKP, Body Breadth=0.135inch, Body Length=0.25inch, Category="Headers and Wire Housings", ComponentLink1Description=https://datasheet.ciiva.com:443/pdfs/VipMasterIC/IC/SAMI/SAMI-S-A0006911451/SAMI-S-A0006911451-1.pdf?src-supplier=IHS+Markit, ComponentLink1URL=https://datasheet.ciiva.com:443/pdfs/VipMasterIC/IC/SAMI/SAMI-S-A0006911451/SAMI-S-A0006911451-1.pdf?src-supplier=IHS+Markit, ComponentLink2Description=https://datasheet.ciiva.com/26837/getdatasheetpartid-233500-26837930.pdf?src-supplier=Verical, ComponentLink2URL=https://datasheet.ciiva.com/26837/getdatasheetpartid-233500-26837930.pdf?src-supplier=Verical, ComponentLink3Description=https://datasheet.ciiva.com/10245/ftsh-mt-10245287.pdf?src-supplier=Avnet, ComponentLink3URL=https://datasheet.ciiva.com/10245/ftsh-mt-10245287.pdf?src-supplier=Avnet, CompType=FTSH-105-01-L-DV-K, Connector Type=Header, Contact Finish - Mating="GOLD (10) OVER NICKEL (50)", Contact Finish - Termination="Matte Tin (Sn) - with Nickel (Ni) barrier", Contact Gender=Male, Contact Material=Bronze, Contact Pattern=RECTANGULAR, Contact Style="SQ PIN-SKT", DIN Conformance=No, Distributor=Mouser, Filter Feature=No, Gender=Male, IEC Conformance=No, Insulation Material=Polymer, JESD-609 Code=e3, Mating Contact Pitch=0.05inch, Mating Contact Row Spacing=0.05inch, Mating Information="MULTIPLE MATING PARTS AVAILABLE", MIL Conformance=No, Mixed Contacts=No, Mounting Option 1=LOCKING, Mounting Style=STRAIGHT, Mounting Technology=SMD, Number Of Connectors=1, Number of Contacts=10, Number Of PCB Rows=2, Number of Rows Loaded=2, Option="General Purpose", Order Code=200-FTSH10501LDVK, PCB Contact Pattern=RECTANGULAR, PCB Contact Row Spacing=4.064mm, Pins=10, Plating Thickness=10uin, Pricing="1=2.88, 10=2.88, 50=2.88, 100=2.27, 1000=1.59, 10000=1.34 (USD)", Reach SVHC Compliant=Yes, Reference Standard=UL, Reliability=COMMERCIAL, RoHS=Yes, RoHS Compliant=Yes, Safety Related=No, Stock=22779, Supplier=Mouser, Terminal Pitch=1.27mm, Termination=SMD/SMT
J3 J5 J6: "Wurth Elektronik, 2 Pin Pluggable Terminal Block, Male", Current Rating=20A, Manufacturer="Wurth Electronics", Manufacturer Series=313, Manufacturer_Name="Wurth Elektronik", Mouser Part Number=710-691313510002, Voltage Rating=300V, Category="Terminal Blocks", ComponentLink1Description=https://datasheet.ciiva.com:443/pdfs/VipMasterIC/IC/MIDC/MIDC-S-A0008053020/MIDC-S-A0008053020-1.pdf?src-supplier=IHS+Markit, ComponentLink1URL=https://datasheet.ciiva.com:443/pdfs/VipMasterIC/IC/MIDC/MIDC-S-A0008053020/MIDC-S-A0008053020-1.pdf?src-supplier=IHS+Markit, ComponentLink2Description=https://datasheet.ciiva.com/8043/1442232-8043521.pdf?src-supplier=Element14, ComponentLink2URL=https://datasheet.ciiva.com/8043/1442232-8043521.pdf?src-supplier=Element14, ComponentLink3Description=https://datasheet.ciiva.com/795/6913135100xx-795821.pdf?src-supplier=Digikey, ComponentLink3URL=https://datasheet.ciiva.com/795/6913135100xx-795821.pdf?src-supplier=Digikey, Datasheet Link=https://www.we-online.de/katalog/datasheet/6913135100xx.pdf, Fastening Method=CONNECTOR, Height=8.5mm, Manufacturer Part Number=691313510002, Manufacturer_Part_Number=691313510002, Mounting Technology=Board, Mouser Price/Stock=https://www.mouser.co.uk/ProductDetail/Wurth-Elektronik/691313510002?qs=2kOmHSv6VfR6BrMDgUh3kQ%3D%3D, Number of Decks=1, Number of Rows=1, Number of Ways=2, Pricing="1=0.35, 10=0.315, 50=0.295, 100=0.295, 1000=0.295, 10000=0.294 (USD)", Reach SVHC Compliant=Yes, RoHS=Yes, RoHS Compliant=Yes, Safety Approval=UL,VDE, Stock=1885, Supplier=Mouser, Supplier Part Number=710-691313510002, Terminal and Terminal Block Type="STRIP TERMINAL BLOCK"
J4: "USB Connector", Manufacturer=Bel, Manufacturer Part Number=SS-52100-001, Supplier Part Number=530-SS-52100-001, Category=Connectors, ComponentLink1Description=https://datasheet.ciiva.com:443/pdfs/VipMasterIC/IC/BELF/BELF-S-A0007110717/BELF-S-A0007110717-1.pdf?src-supplier=IHS+Markit, ComponentLink1URL=https://datasheet.ciiva.com:443/pdfs/VipMasterIC/IC/BELF/BELF-S-A0007110717/BELF-S-A0007110717-1.pdf?src-supplier=IHS+Markit, ComponentLink2Description=http://www.farnell.com/datasheets/2813579.pdf?src-supplier=Farnell, ComponentLink2URL=http://www.farnell.com/datasheets/2813579.pdf?src-supplier=Farnell, ComponentLink3Description=https://belfuse.com/resources/drawings/stewartconnector/dr-stw-ss-52100-001.pdf?src-supplier=Digikey, ComponentLink3URL=https://belfuse.com/resources/drawings/stewartconnector/dr-stw-ss-52100-001.pdf?src-supplier=Digikey, ComponentLink4Description=http://www.farnell.com/datasheets/2813579.pdf?src-supplier=Newark, ComponentLink4URL=http://www.farnell.com/datasheets/2813579.pdf?src-supplier=Newark, ComponentLink5Description=https://datasheet.octopart.com/SS-52100-001-Bel-Fuse-datasheet-137355466.pdf?src-supplier=Sager+Electronics, ComponentLink5URL=https://datasheet.octopart.com/SS-52100-001-Bel-Fuse-datasheet-137355466.pdf?src-supplier=Sager+Electronics, Pricing="1=0.57, 10=0.346, 50=0.346, 100=0.286, 1000=0.252, 10000=0.252 (USD)", RoHS=Yes, RoHS Compliant=Yes, Stock=6440, Supplier=Mouser
J7: "CIRCULAR DC POWER CONNECTOR", Manufacturer="Wurth Electronics", Manufacturer Part Number=694106301002, Supplier Part Number=710-694106301002, Category="Power Connectors", ComponentLink1Description=https://datasheet.ciiva.com:443/pdfs/VipMasterIC/IC/MIDC/MIDC-S-A0001192814/MIDC-S-A0001192814-1.pdf?src-supplier=IHS+Markit, ComponentLink1URL=https://datasheet.ciiva.com:443/pdfs/VipMasterIC/IC/MIDC/MIDC-S-A0001192814/MIDC-S-A0001192814-1.pdf?src-supplier=IHS+Markit, ComponentLink2Description=http://www.mouser.com/ds/2/445/6941xx301002-469315.pdf?src-supplier=Mouser, ComponentLink2URL=http://www.mouser.com/ds/2/445/6941xx301002-469315.pdf?src-supplier=Mouser, ComponentLink3Description=http://www.farnell.com/cad/2130967.pdf?src-supplier=Element14, ComponentLink3URL=http://www.farnell.com/cad/2130967.pdf?src-supplier=Element14, ComponentLink4Description=https://katalog.we-online.de/em/datasheet/6941xx301002.pdf?src-supplier=Digikey, ComponentLink4URL=https://katalog.we-online.de/em/datasheet/6941xx301002.pdf?src-supplier=Digikey, Connector Type=Circular,Power, Contact Finish - Mating="NOT SPECIFIED", Pricing="1=1.02, 10=0.97, 50=0.86, 100=0.8, 1000=0.59, 10000=0.59 (USD)", Reach SVHC Compliant=Yes, RoHS=Yes, RoHS Compliant=Yes, Stock=9038, Supplier=Mouser